# KiCad board manila_ice.kicad_pcb (continued)
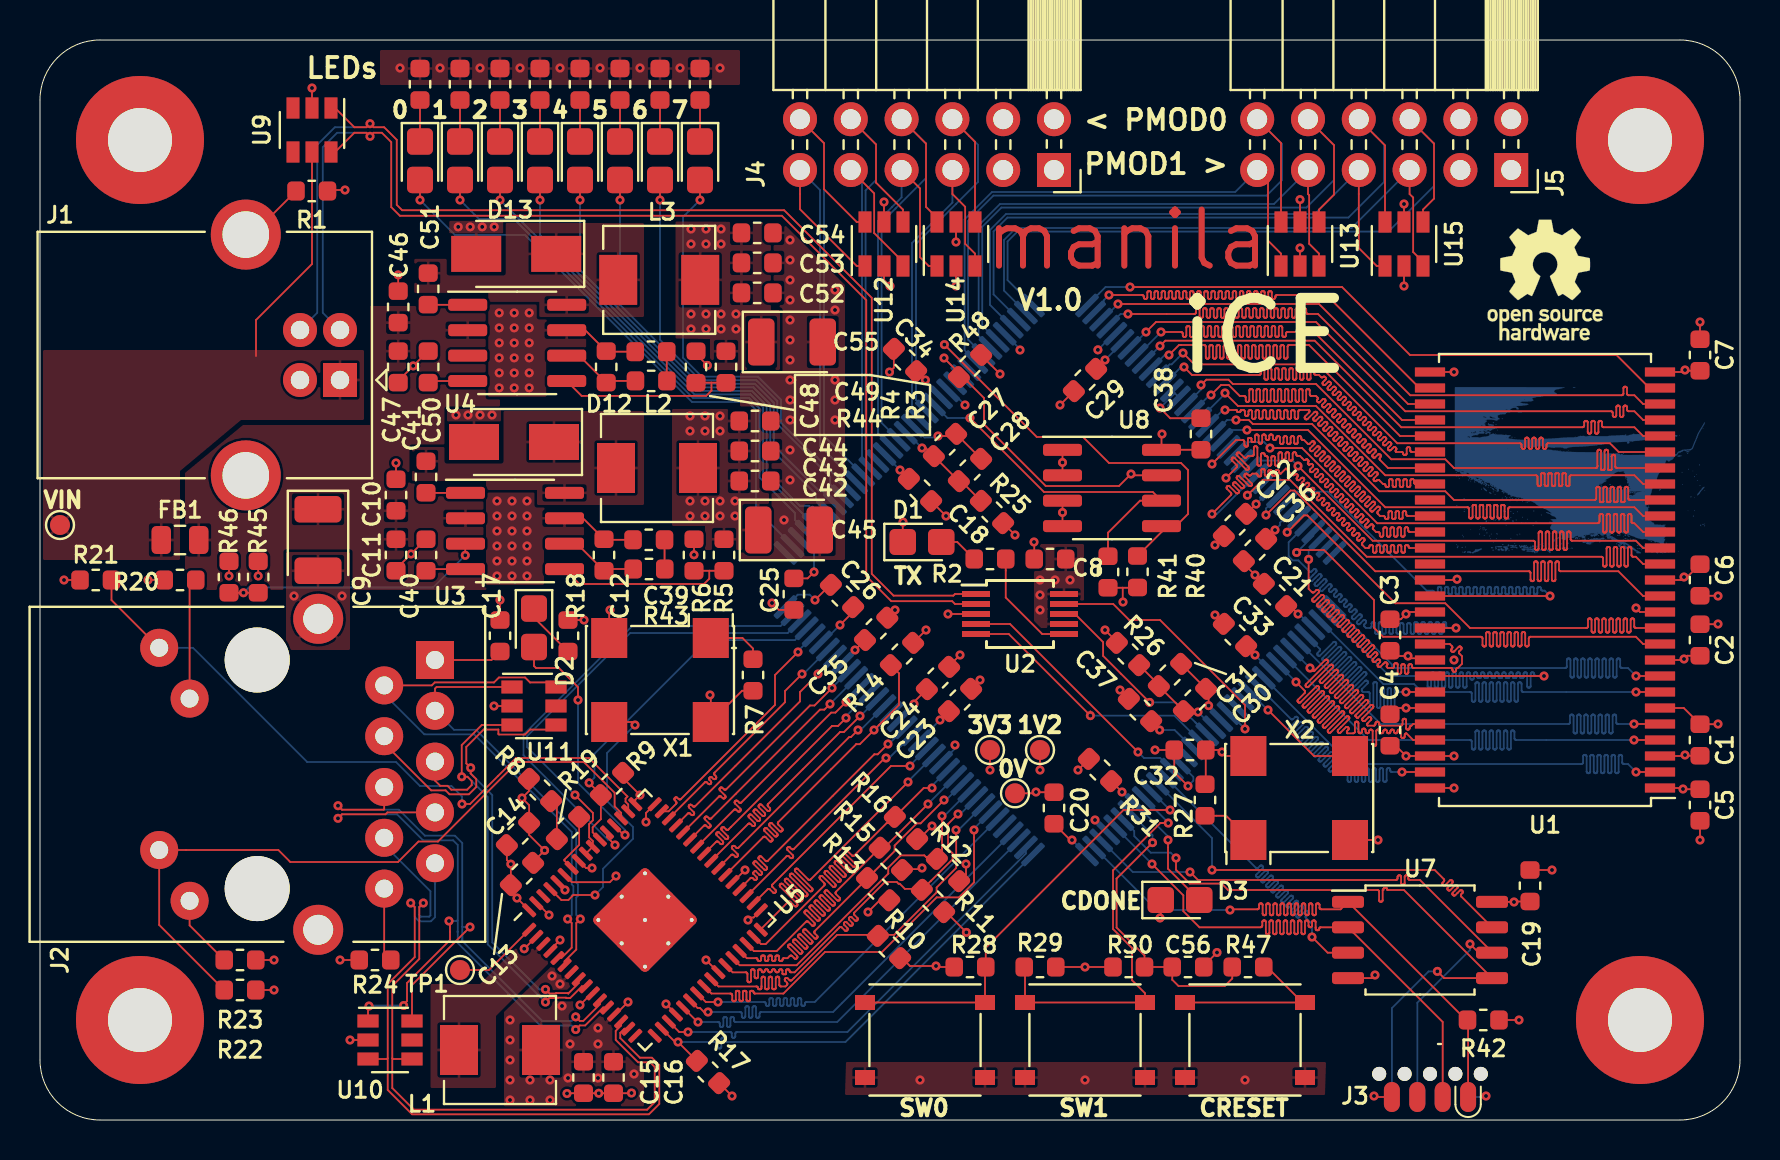
[diagram p0: board, top side]
## Routing (per net, layer and track width the routed paths; a pad name or vN(x,y) marks a point on that pad's centre or on a via; arc(x,y) is an arc through that point)
+1V2: length 11.6
  Top w0.089: v1(53.25,24.5) 53.84,23.91 R26.1 ; 48.11,29.89 v1(48.75,29.25) ; v1(60.8,30.8) 60.31,30.31 C22.1 ; C25.1 38.38,27.08 v1(38.7,27.4) ; v1(43.7,20.8) 43.7,20.9 C24.1 ; C21.1 62.51,25.69 v1(62.9,25.3) ; TP3.1 v1(50,17.5)
  Bottom w0.089: U6.40 62.95,25.3 v1(62.9,25.3) ; U6.111 38.7,28.34 v1(38.7,27.4) ; U6.92 42.93,20.03 v1(43.7,20.8) ; v1(60.8,30.8) 60.81,30.8 U6.27
  vias: v1(32.5,35.2) v1(32.5,34.45) v1(32.5,30.95) v1(32.5,30.2) v1(33.25,35.2) v1(33.25,34.45) v1(33.25,30.95) v1(33.25,30.2) v1(34,35.2) v1(34,34.45) v1(34,30.95) v1(34,30.2) v1(34.75,30.95) v1(34.75,30.2)
+3V3: length 81.8
  Top w0.089: v1(35.25,12.5) 34.65,11.9 U5.37 ; v1(44.27,37) 44.25,37 C34.1 ; v1(33.5,21.25) 33.54,21.21 X1.4 35.1,21.46 R7.1 ; U5.60 26.25,11.53 v1(26.25,11.5) ; U5.49 29.76,16.01 v1(30,16.25) 29.16,17.09 R9.1 ; v1(27,5.75) 27.58,6.33 U5.10 ; U5.64 v1(23.85,11.1) 23.54,11.4 C13.1 v1(23.54,12.79) 23.34,12.99 C14.1 ; v1(33.3,8) 33.91,7.39 U5.26 ; v1(31.3,5.8) 31.8,5.3 U5.20 ; 45.26,10.44 v1(46.32,9.38) ; v1(46.3,12.8) 46.3,12.29 46.06,12.04 ; v1(41.4,10.4) 41.94,10.94 42.46,10.94 ; v1(44.1,12.6) 44.04,12.54 43.16,12.54 ; 43.06,8.14 43.5,7.7 v1(44.8,7.7) 44.85,7.65 R28.1 ; R30.1 v1(52.25,7.65) R29.1 ; v1(51.9,17.5) 52.44,18.04 R31.1 ; v1(55.98,19.5) 55.56,19.92 C37.1 ; R45.1 v1(10.91,27.2) ; U1.49 v1(68.3,20.6) 67.81,20.6 C4.1 ; C3.1 68.04,25.04 v1(68.3,25.3) 68.4,25.4 U1.43 ; 39.29,26.5 C26.1 39.51,26.76 v1(38.75,26) ; R27.1 58.29,16.83 C32.1 59,18.5 v1(59.1,18.4) 59.3,18.2 X2.4 ; C38.1 56.08,33.51 U8.8 56.08,34.28 v1(56.1,34.3) ; C36.1 v1(61.75,29.5) ; v1(54.15,25.9) 54.14,25.91 54.14,26.61 ; R42.1 v1(73.95,5) ; U1.14 82.05,27 v1(82.2,27.15) 82.36,27.15 C6.1 ; R40.1 54.86,26.61 54.14,26.61 ; v1(60.75,23.25) C33.1 ; C7.1 82.29,37.46 v1(82.25,37.5) 82.15,37.4 U1.27 ; U12.5 v1(42.2,45.9) ; 82.96,16.5 C5.1 82.16,16.54 v1(82.15,16.55) 82.1,16.6 U1.1 ; U5.57 27.3,12.6 v1(27.6,12.6) ; 74.5,10.92 73.73,10.92 v1(73.7,10.9) 73.7,10.91 U7.8 ; C2.1 82.36,23.21 v1(82.2,23.05) 82.15,23 U1.9 ; C35.1 v1(40.75,23.5) ; U1.3 82.2,18.2 v1(82.25,18.25) 82.29,18.21 C1.1 ; v1(48,37.3) 47.06,38.24 R48.1 ; 50.72,14.81 C20.1 51.51,14 v1(51.6,14) ; 54.14,26.61 R41.1 ; U14.5 v1(45.8,43.9) ; C29.1 v1(53.25,38) ; U13.5 v1(63,46.02) ; U15.5 v1(68.2,45.8) ; C18.1 v1(43,32.5) ; C23.1 v1(45,20) ; TP2.1 v1(47.5,17.5)
  Bottom w0.089: v1(44.27,37) 45.05,36.22 U6.131 ; v1(55.98,19.5) 56.73,19.5 U6.57 ; v1(72.3,1.2) 72.25,1.15 J3.8 ; v1(43,32.5) 42.22,33.28 U6.123 ; 40.75,23.47 v1(40.75,23.5) 40.1,22.85 U6.100 ; v1(60.75,23.25) 61.53,22.47 U6.46 ; U6.6 54.12,38.87 v1(53.25,38) ; U6.89 43.99,18.99 v1(45,20) ; v1(51.6,14) 52.33,13.27 U6.72 ; v1(61.75,29.5) 62,29.75 62,29.87 U6.30 ; v1(38.75,26) 38.49,26.26 37.89,26.26 U6.108
  vias: v1(32.55,44.55) v1(32.55,43.8) v1(32.55,40.3) v1(32.55,39.55) v1(33.3,44.55) v1(33.3,43.8) v1(33.3,40.3) v1(33.3,39.55) v1(34.05,44.55) v1(34.05,43.8) v1(34.05,40.3) v1(34.05,39.55) v1(34.8,40.3) v1(34.8,39.55) v1(50,27) v1(50,26.25) v1(50,25.5) v1(50.75,27) v1(51.5,27)
/ETHERNET/VDD: length 5.7
  Top w0.089: v1(35.4,10) 35.52,10.12 35.68,10.12 U5.33 ; v1(30.3,14.9) 30.3,15.35 U5.48 ; U5.59 26.59,11.89 28.49,11.89 v1(28.8,12.2) ; U5.13 28.77,5.27 v1(29.4,5.9)
  vias: v1(23.5,5) v1(23.5,4) v1(23.5,3) v1(23.5,2) v1(23.5,1) v1(24.5,2) v1(24.5,1) v1(25.5,2) v1(25.5,1) v1(25.6,7.2) v1(26,6.8) v1(26.1,5.7) v1(26.4,2.1) v1(26.5,3.8) v1(27.9,4.6) v1(27.9,3.8) v1(27.9,2.1) v1(29.7,2.3)
/FPGA/GNDPLL0: length 3.6
  Top w0.089: C31.2 C30.2 58.43,21.43 v1(58.43,20.72)
  Bottom w0.089: v1(58.43,20.72) 59.07,20.08 U6.53
/FPGA/GNDPLL1: length 4.3
  Top w0.089: C28.2 C27.2 45.7,34.2 v1(44.9,34.2)
  Bottom w0.089: U6.127 44.23,34.12 44.82,34.12 v1(44.9,34.2)
/FPGA/VCCPLL0: length 5.1
  Top w0.089: R26.2 55.94,21.76 C31.1 C30.1 57.24,20.4 v1(57.9,20.4)
  Bottom w0.089: v1(57.9,20.4) 58.66,19.64 U6.54
/FPGA/VCCPLL1: length 5.1
  Top w0.089: 47,31 46.06,31.94 C28.1 C27.1 44.29,33.6 v1(44.1,33.6)
  Bottom w0.089: v1(44.1,33.6) 43.34,34.36 U6.126
/VBUS: length 11.4
  Top w0.089: 10.8,38.2 10.8,40 13.6,42.8 U9.5
GND: length 104
  Top w0.089: v1(56,10.1) 56.04,10.14 D3.1 ; v1(55.75,18.5) C32.2 56.71,17.39 v1(57.4,16.7) ; C29.2 v1(51,35.75) ; C22.2 v1(58.75,28.75) ; C36.2 60.19,27.81 v1(60.75,27.25) C21.2 ; C33.2 v1(58.75,25.25) ; C37.2 v1(54,21.5) ; C23.2 v1(47,22) ; v1(46,23.25) 45.46,22.71 C24.2 ; C35.2 v1(42.75,25.5) ; v1(66.75,7.25) 66.6,7.09 U7.4 ; v1(28.5,25.5) 28.46,25.46 X1.2 ; C17.2 v1(23,26) ; C13.2 24.66,12.91 v1(25.23,13.48) 24.46,14.25 C14.2 24.46,15.74 v1(24.1,16.1) 24.44,16.44 R8.1 ; v1(26,9) 25.52,8.52 U5.4 ; v1(24.21,8.56) 24.81,9.16 U5.2 ; v1(25.45,10.25) 24.86,10.84 U5.63 ; R14.2 v1(44.3,24.5) ; 5.29,49.29 H1.1 ; R17.2 v1(34.6,1.2) ; C18.2 v1(45.3,30.2) ; v1(44.6,14.7) 44.04,14.14 43.96,14.14 ; C40.2 19.29,29.04 v1(18.55,28.3) 17.8,27.55 C11.2 ; C39.2 28.23,29.01 C12.2 27.15,30.08 26.23,30.08 ; C10.2 v1(17.8,32.85) ; 49.71,28.09 C8.2 49.71,28.89 v1(49.7,28.9) ; C47.2 17.91,36.95 v1(18.66,37.7) 19.4,38.44 C50.2 ; C49.2 28.34,38.42 C48.2 27.26,39.49 U4.7 ; C46.2 v1(17.91,42.25) ; U10.2 v1(15.5,4) ; v1(83.9,19.8) 83.89,19.79 C1.2 82.19,20.6 U1.6 ; TP5.1 49.73,16.33 v1(49.8,16.4) 49.81,16.39 C20.2 ; C25.2 36.94,25.51 v1(36.6,25.85) ; R24.2 v1(15,8) ; U14.2 v1(45.8,41.7) ; R1.2 14.42,46.5 v1(15.25,46.5) ; C38.2 56.51,35.09 v1(56,35.6) ; C6.2 83.89,26.21 v1(83.9,26.2) ; R46.2 v1(9.45,27.2) ; U15.2 v1(68.2,41.7) ; R4.2 32.8,38.3 v1(33.37,37.73) ; D1.1 43.14,29.89 v1(43.15,29.9) ; U8.3 v1(51.13,30.38) U8.4 ; v1(70.7,18.2) U1.52 v1(68.3,18.2) 67.79,18.71 C4.2 ; C56.2 58.19,7.71 v1(58.85,8.38) ; v1(42.48,37.4) 42.69,37.62 C34.2 ; U1.28 v1(70.7,37.4) ; v1(40,24.75) 40.66,25.41 C26.2 ; v1(70.85,27.04) 70.81,27 U1.41 ; U13.2 v1(63,43.6) ; U12.2 42.2,42 v1(42.5,41.7) ; C3.2 67.76,23.2 v1(68.4,23.2) 68.4,23.15 68.46,23.09 69.41,23.09 U1.46 ; R6.2 32.7,28.25 ; v1(26.35,1.33) 26.36,1.34 C15.2 v1(27.94,1.34) C16.2 29.56,1.34 v1(29.58,1.35) ; v1(75.6,12.5) C19.2 ; C2.2 83.89,24.79 v1(83.9,24.8) ; v1(83,39.9) C7.2 ; U8.1 v1(51.13,32.88) U8.2 ; J3.4 66.75,1.15 v1(66.7,1.2) ; U1.54 v1(70.7,16.6) ; U11.2 v1(22.7,20.7) ; C5.2 v1(83,14) ; v1(27.2,25) 27.2,25 R18.2 ; v1(79.8,25.6) 80,25.4 U1.12 ; U2.3 v1(45.4,25.3) ; R23.2 v1(11.7,8) ; R20.2 v1(5.4,27) ; U9.2 v1(13.6,51.6) ; R21.2 v1(1.2,27) ; v1(66.9,14) X2.2 ; R22.2 v1(11.7,6.5)
  Bottom w0.089: v1(40,24.75) 39.13,23.88 U6.103 ; v1(52.9,38.51) 53.7,39.31 U6.5 ; v1(52.75,15) 53.41,14.34 U6.69 ; v1(46.25,35.75) 45.52,36.48 U6.132 ; v1(49,38.5) 49,38.55 U6.140 ; U6.59 57.66,17.15 57.66,16.96 v1(57.4,16.7) ; U6.13 56.74,36.34 ; 56.74,36.34 v1(56,35.6) ; 56.74,36.34 U6.14 ; v1(45.75,18.75) 45.75,18.57 U6.86
  vias: v1(12.7,26.2) v1(15.1,26.2) v1(18,52.6) v1(20,52.6) v1(20.8,35.25) v1(20.91,44.66) v1(21.4,35.25) v1(21.51,44.66) v1(22,52.6) v1(22,35.25) v1(22.11,44.66) v1(22.6,35.25) v1(22.71,44.66) v1(22.85,30.95) v1(22.85,30.2) v1(22.85,29.45) v1(22.85,28.7) v1(22.85,27.95) v1(22.85,27.2) v1(22.96,40.36) v1(22.96,39.61) v1(22.96,38.86) v1(22.96,38.11) v1(22.96,37.36) v1(22.96,36.61) v1(23.6,30.95) v1(23.6,30.2) v1(23.6,29.45) v1(23.6,28.7) v1(23.6,27.95) v1(23.6,27.2) v1(23.71,40.36) v1(23.71,39.61) v1(23.71,38.86) v1(23.71,38.11) v1(23.71,37.36) v1(23.71,36.61) v1(24,52.6) v1(24.35,30.95) v1(24.35,30.2) v1(24.35,29.45) v1(24.35,28.7) v1(24.35,27.95) v1(24.35,27.2) v1(24.46,40.36) v1(24.46,39.61) v1(24.46,38.86) v1(24.46,38.11) v1(24.46,37.36) v1(24.46,36.61) v1(26,52.6) v1(28,52.6) v1(30,52.6) v1(32,52.6) v1(32.7,28.26) v1(34,52.6) v1(37.2,30) v1(37.5,44) v1(37.5,43) v1(37.5,42) v1(37.5,41) v1(37.5,40) v1(37.5,39) v1(37.5,38) v1(37.5,37) v1(37.5,36) v1(37.5,35) v1(37.5,33.5) v1(37.5,32) v1(39.75,41.5) v1(39.75,40.5) v1(39.75,37) v1(39.75,36) v1(39.75,35) v1(44,2) v1(52.25,2) v1(60.25,2) v1(70.7,23)
/1V2_REG/BOOT: length 2
  Top w0.089: 21.27,31.36 U3.1 19.31,31.36 C41.1
/1V2_REG/COMP: length 4.2
  Top w0.089: 29.58,27.46 R43.1 28.29,27.55 C12.1 26.85,28.81 U3.6
/1V2_REG/COMP_RC: length 1.5
  Top w0.089: 31.24,29 C39.1 31.23,27.56 R43.2
/1V2_REG/EN: length 13.9
  Top w0.089: v1(10.17,26.36) R46.1 ; R45.2 10.18,26.36 ; v1(21.26,28.24) 21.26,28.8 U3.3
  Bottom w0.089: v1(10.17,26.36) 10.44,26.63 19.65,26.63 v1(21.26,28.24)
/1V2_REG/FB: length 9.6
  Top w0.089: 33.46,27.46 R6.1 ; 33.46,27.46 R5.2 ; 33.46,27.46 33.46,27.06 33.2,26.8 26.97,26.8 U3.5
/1V2_REG/SS: length 2.1
  Top w0.089: 21.19,27.46 U3.4 19.38,27.55 C40.1
/3V3_REG/BOOT: length 2
  Top w0.089: C51.1 19.42,40.76 U4.1 21.38,40.77
/3V3_REG/COMP: length 4.2
  Top w0.089: 29.69,36.87 R44.1 28.4,36.95 C48.1 26.96,38.22 U4.6
/3V3_REG/COMP_RC: length 1.5
  Top w0.089: R44.2 31.34,36.97 C49.1 31.35,38.41
/3V3_REG/FB: length 9.6
  Top w0.089: 33.57,36.87 33.57,36.47 33.31,36.2 27.08,36.2 U4.5 ; 33.57,36.87 32.81,36.87 ; 33.57,36.87 34.31,36.87
/3V3_REG/SS: length 2.1
  Top w0.089: C50.1 19.49,36.95 U4.4 21.3,36.87
/EEPROM/SCL: length 17.9
  Top w0.089: R41.2 53.4,29.36 55,30.97 U8.6 55.64,31.4 50.2,31.4 v1(46.5,35.1)
  Bottom w0.089: U6.130 45.37,35.1 v1(46.5,35.1)
/EEPROM/SDA: length 22.3
  Top w0.089: R40.2 56.08,29.4 U8.5 56.8,29.69 57.4,30.3 57.4,32.5 57.05,32.85 53.45,32.85 52.15,34.15 49.84,34.15 v1(45.22,38.77)
  Bottom w0.089: v1(45.22,38.77) 46.44,37.54 U6.135
/EEPROM/~{WC}: length 16.4
  Top w0.089: 46.4,36.9 46.16,37.14 R48.2 ; 46.4,36.9 v1(45.2,38.1) ; 46.4,36.9 47.2,36.1 47.2,34.78 50.28,31.7 53.95,31.7 v1(54.55,32.3) 54.61,32.23 U8.7
  Bottom w0.089: v1(45.2,38.1) 46.11,37.19 U6.134
/ETHERNET/CLK50: length 14.3
  Top w0.089: v1(29.75,19.75) 29.6,19.9 X1.3 ; v1(27.75,11.25) 26.67,11.25 26.42,11 26.07,11 U5.61
  Bottom w0.089: v1(29.75,19.75) 28.35,18.35 28.35,15.95 29.65,14.65 29.65,14.06 28.15,12.56 28.15,11.65 v1(27.75,11.25)
/ETHERNET/CLK125: length 4.3
  Top w0.089: TP1.1 22.45,7.5 U5.1
/ETHERNET/COL: length 22.5
  Top w0.089: v1(44.6,16.6) 44.19,16.6 42.44,14.85 42.34,14.85 40.72,13.23 40.7,13.22 40.68,13.21 40.67,13.21 40.65,13.21 40.63,13.21 40.61,13.22 40.59,13.23 40.38,13.44 40.37,13.45 40.35,13.46 40.33,13.47 40.31,13.47 40.29,13.46 40.27,13.45 40.26,13.44 40.25,13.42 40.24,13.41 40.23,13.39 40.23,13.37 40.24,13.35 40.25,13.33 40.26,13.31 40.76,12.81 40.78,12.79 40.79,12.77 40.79,12.76 40.79,12.74 40.79,12.72 40.78,12.7 40.76,12.68 40.75,12.67 40.73,12.66 40.71,12.66 40.69,12.66 40.67,12.66 40.65,12.67 40.64,12.68 40.13,13.19 40.12,13.2 40.1,13.21 40.08,13.21 40.06,13.21 40.04,13.21 40.02,13.2 40.01,13.19 40,13.17 39.99,13.15 39.98,13.14 39.98,13.12 39.99,13.1 40,13.08 40.01,13.06 40.51,12.56 40.53,12.54 40.53,12.52 40.54,12.5 40.54,12.48 40.53,12.46 40.53,12.45 40.51,12.43 40.5,12.42 40.48,12.41 40.46,12.41 40.44,12.41 40.42,12.41 40.4,12.42 40.39,12.43 39.88,12.94 39.87,12.95 39.85,12.96 39.83,12.96 39.81,12.96 39.79,12.96 39.77,12.95 39.76,12.94 39.74,12.92 39.73,12.9 39.73,12.88 39.73,12.86 39.73,12.84 39.74,12.83 39.76,12.81 40.26,12.31 40.27,12.29 40.28,12.27 40.29,12.25 40.29,12.23 40.28,12.21 40.27,12.19 40.26,12.18 40.25,12.17 40.23,12.16 40.21,12.15 40.19,12.15 40.17,12.16 40.15,12.17 40.14,12.18 39.63,12.69 39.61,12.7 39.6,12.71 39.58,12.71 39.56,12.71 39.54,12.71 39.52,12.7 39.5,12.69 39.49,12.67 39.48,12.65 39.48,12.63 39.48,12.61 39.48,12.59 39.49,12.58 39.5,12.56 40.01,12.05 40.02,12.04 40.03,12.02 40.04,12 40.04,11.98 40.03,11.96 40.02,11.94 40.01,11.93 39.99,11.92 39.98,11.91 39.96,11.9 39.94,11.9 39.92,11.91 39.9,11.92 39.88,11.93 39.38,12.43 39.36,12.45 39.35,12.45 39.33,12.46 39.31,12.46 39.29,12.45 39.27,12.45 39.25,12.43 39.24,12.42 39.23,12.4 39.23,12.38 39.23,12.36 39.23,12.34 39.24,12.32 39.25,12.31 39.76,11.8 39.77,11.79 39.78,11.77 39.78,11.75 39.78,11.73 39.78,11.71 39.77,11.69 39.76,11.68 39.74,11.66 39.73,11.66 39.71,11.65 39.69,11.65 39.67,11.66 39.65,11.66 39.63,11.68 39.13,12.18 39.11,12.19 39.09,12.2 39.07,12.21 39.05,12.21 39.04,12.2 39.02,12.19 39,12.18 38.99,12.17 38.98,12.15 38.98,12.13 38.98,12.11 38.98,12.09 38.99,12.07 39,12.06 39.21,11.85 39.22,11.83 39.23,11.82 39.23,11.8 39.23,11.78 39.23,11.76 39.22,11.74 39.21,11.72 36.28,8.8 36.05,8.8 U5.31
  Bottom w0.089: U6.85 44.6,16.71 v1(44.6,16.6)
/ETHERNET/CS: length 22.5
  Top w0.089: U5.32 36.04,9.54 37.4,10.9 37.42,10.91 37.43,10.92 37.45,10.93 37.47,10.93 37.49,10.92 37.51,10.91 37.53,10.9 37.72,10.7 37.74,10.69 37.76,10.68 37.78,10.68 37.8,10.68 37.81,10.68 37.83,10.69 37.85,10.7 37.86,10.72 37.87,10.74 37.87,10.76 37.87,10.78 37.87,10.8 37.86,10.81 37.85,10.83 37.01,11.67 37,11.68 36.99,11.7 36.99,11.72 36.99,11.74 36.99,11.76 37,11.78 37.01,11.79 37.03,11.8 37.04,11.81 37.06,11.82 37.08,11.82 37.1,11.81 37.12,11.8 37.14,11.79 37.97,10.95 37.99,10.94 38.01,10.93 38.03,10.93 38.05,10.93 38.07,10.93 38.08,10.94 38.1,10.95 38.11,10.97 38.12,10.99 38.13,11.01 38.13,11.03 38.12,11.05 38.11,11.06 38.1,11.08 37.26,11.92 37.25,11.93 37.24,11.95 37.24,11.97 37.24,11.99 37.24,12.01 37.25,12.03 37.26,12.04 37.28,12.06 37.3,12.06 37.32,12.07 37.34,12.07 37.35,12.06 37.37,12.06 37.39,12.04 38.23,11.21 38.24,11.19 38.26,11.19 38.28,11.18 38.3,11.18 38.32,11.19 38.34,11.19 38.35,11.21 38.36,11.22 38.37,11.24 38.38,11.26 38.38,11.28 38.37,11.3 38.36,11.32 38.35,11.33 37.51,12.17 37.5,12.18 37.49,12.2 37.49,12.22 37.49,12.24 37.49,12.26 37.5,12.28 37.51,12.3 37.53,12.31 37.55,12.32 37.57,12.32 37.59,12.32 37.61,12.32 37.62,12.31 37.64,12.3 38.48,11.46 38.49,11.45 38.51,11.44 38.53,11.43 38.55,11.43 38.57,11.44 38.59,11.45 38.6,11.46 38.61,11.47 38.62,11.49 38.63,11.51 38.63,11.53 38.62,11.55 38.61,11.57 38.6,11.58 37.77,12.42 37.75,12.44 37.74,12.45 37.74,12.47 37.74,12.49 37.74,12.51 37.75,12.53 37.77,12.55 37.78,12.56 37.8,12.57 37.82,12.57 37.84,12.57 37.86,12.57 37.88,12.56 37.89,12.55 38.41,12.03 38.42,12.02 38.44,12.01 38.46,12.01 38.48,12.01 38.5,12.01 38.52,12.02 38.53,12.03 v1(43.4,16.9)
  Bottom w0.089: U6.87 43.4,16.93 v1(43.4,16.9)
/ETHERNET/CT: length 3.4
  Top w0.089: J2.R1 22.58,23 23,23.42
/ETHERNET/LED_G_HIGH: length 33.8
  Top w0.089: J2.L4 3.58,26 R21.1 ; U5.50 29.41,15.78 29.28,15.91 29.28,16.07 29.37,16.17 27.45,18.1 23.8,18.1 21.5,15.8 v1(21.1,15.8)
  Bottom w0.089: v1(21.1,15.8) 21.1,16.17 20.57,16.7 19,16.7 17.8,17.9 13.36,17.9 7.65,23.61 J2.L4
/ETHERNET/LED_G_LOW: length 6.1
  Top w0.089: J2.L3 7.48,26.69 R20.1
/ETHERNET/LED_Y_HIGH: length 35.5
  Top w0.089: R22.1 5.96,9.75 J2.L2 11.92,13.5 12.52,12.9 17.9,12.9 18.92,13.92 19.9,13.92 23.87,17.9 27.19,17.9 28.73,16.36 28.73,15.68 29.06,15.36 U5.51
/ETHERNET/LED_Y_LOW: length 3.7
  Top w0.089: R23.1 7.48,9.73 J2.L1
/ETHERNET/MDI0_N: length 21.8
  Top w0.089: v1(27.02,10.05) 26.81,9.85 26.81,8.52 26.23,7.94 U5.6 ; J2.R3 19.75,21.57 19.83,21.65 U11.1
  Bottom w0.089: v1(27.02,10.05) 26.81,10.25 26.81,11.12 26.89,11.21 26.89,11.79 26.81,11.88 26.81,14.5 21.8,19.51 20.7,19.51 J2.R3
/ETHERNET/MDI0_P: length 28.6
  Top w0.089: J2.R2 19.59,21.73 19.74,21.88 22.7,21.88 22.95,22.13 24.25,22.13 24.5,21.88 25.57,21.88 U11.6 ; U5.5 26.07,8.1 26.59,8.62 26.59,9.85 v1(26.38,10.05)
  Bottom w0.089: v1(26.38,10.05) 26.59,10.25 26.59,11.22 26.67,11.3 26.67,11.7 26.59,11.78 26.59,14.4 21.7,19.29 19.21,19.29 17.65,20.85 17.65,21.29 J2.R2
/ETHERNET/MDI1_N: length 23.9
  Top w0.089: U11.3 22.09,19.75 21.09,18.75 v1(21.09,17.16) 21.37,17.16 21.59,16.95 21.59,16.75 21.35,16.51 20.57,16.51 20.37,16.71 20.01,16.71 19.75,16.97 J2.R5 ; v1(25.27,5.9) 25.47,6.1 25.88,6.1 25.9,6.12 26.3,6.12 26.32,6.1 26.51,6.1 27.1,6.69 U5.9
  Bottom w0.089: v1(25.27,5.9) 22.39,8.78 22.39,16.15 21.37,17.16 v1(21.09,17.16)
/ETHERNET/MDI1_P: length 28.6
  Top w0.089: U5.8 26.94,6.85 26.42,6.33 26.41,6.33 26.39,6.34 25.81,6.34 25.79,6.33 25.47,6.33 v1(25.27,6.53) ; U11.4 25.57,19.52 24.5,19.52 24.25,19.27 22.95,19.27 22.92,19.3 22.92,19.52 22.18,19.52 21.31,18.65 21.31,17.83 v1(21.53,17.61) 21.53,17.32 21.81,17.04 21.81,16.65 21.45,16.29 20.47,16.29 20.28,16.48 19.56,16.48 17.21,18.83 J2.R4
  Bottom w0.089: v1(25.27,6.53) 24.96,6.53 22.61,8.88 22.61,16.24 21.53,17.32 v1(21.53,17.61)
/ETHERNET/MDI2_N: length 34.5
  Top w0.089: J2.R7 17.37,15.38 17.28,15.29 15.1,15.29 v1(14.9,15.08) ; v1(26.79,4.52) 26.99,4.73 27.26,4.73 28.16,5.62 U5.12 ; v1(16.45,5.7) 16.4,5.65 U10.1 ; v1(20.45,9.95) 20.5,9.9 20.5,9 18.35,6.85 18.35,5.95 18.18,5.78 v1(18.18,5.72)
  Bottom w0.089: 20.89,9.44 20.89,9.96 ; 20.89,9.44 20.89,9.41 20.87,9.4 ; 20.89,9.44 20.89,8.85 25.01,4.73 26.58,4.73 v1(26.79,4.52) ; 20.89,9.96 20.84,9.96 20.82,9.95 v1(20.45,9.95) ; 20.89,9.96 20.89,13.75 20.65,13.99 19.15,13.99 17.85,15.29 15.1,15.29 v1(14.9,15.08) ; 18.16,5.7 v1(18.18,5.72) 16.47,5.72 v1(16.45,5.7)
/ETHERNET/MDI2_P: length 31.2
  Top w0.089: J2.R6 17.21,15.54 17.18,15.51 15.1,15.51 v1(14.9,15.72) ; U5.11 28,5.79 27.16,4.95 26.99,4.95 v1(26.79,5.16) ; U10.6 18.6,6.75 v1(21.5,9.65)
  Bottom w0.089: v1(14.9,15.72) 15.1,15.51 17.95,15.51 19.25,14.21 20.75,14.21 21.11,13.85 21.11,9.66 ; 21.11,9.04 21.11,9.26 ; 21.11,9.04 21.11,9.66 ; 21.11,9.04 21.11,8.95 ; v1(21.5,9.65) 21.13,9.65 21.11,9.66 21.11,9.66 ; v1(26.79,5.16) 26.58,4.95 25.11,4.95 21.11,8.95 ; 21.11,8.95 21.13,8.94
/ETHERNET/MDI3_N: length 35.2
  Top w0.089: v1(18.53,10.85) 18.74,10.65 18.74,8.15 17.39,6.8 17.39,3.09 ; 17.39,3.09 17.39,1.5 18.6,0.29 30.45,0.29 30.96,0.8 30.96,2.75 30.6,3.11 30,3.11 29.01,4.1 29.01,4.36 29.22,4.56 U5.15 ; 17.39,3.09 17.35,3.05 U10.3
  Bottom w0.089: J2.R9 19.75,10.14 19.55,9.94 18.95,9.94 18.74,10.15 18.74,10.65 v1(18.53,10.85)
/ETHERNET/MDI3_P: length 36.1
  Top w0.089: 17.61,3.09 17.65,3.05 U10.4 ; 17.61,3.09 17.61,1.6 18.7,0.51 30.35,0.51 30.74,0.9 30.74,2.65 30.5,2.89 29.9,2.89 28.79,4 28.79,4.45 29.06,4.73 U5.14 ; 17.61,3.09 17.61,6.7 18.96,8.05 18.96,10.65 v1(19.17,10.85)
  Bottom w0.089: v1(19.17,10.85) 18.96,10.65 18.96,10.25 19.05,10.16 19.45,10.16 19.52,10.23 19.52,11.44 17.21,13.75 J2.R8
/ETHERNET/RXCLK: length 22.5
  Top w0.089: v1(46.7,14.5) 46.7,11.88 45.95,11.13 44.83,11.13 42.1,8.4 39.25,8.4 37.17,6.32 35.75,6.32 35.73,6.32 35.72,6.33 35.7,6.34 35.69,6.35 35.69,6.36 35.68,6.38 35.68,6.41 35.67,6.42 35.66,6.44 35.65,6.45 35.64,6.45 35.62,6.46 35.61,6.46 35.57,6.46 35.55,6.46 35.54,6.45 35.53,6.45 35.52,6.44 35.51,6.42 35.5,6.41 35.5,6.39 35.5,6.02 35.5,6 35.49,5.98 35.48,5.97 35.47,5.95 35.45,5.94 35.43,5.94 35.41,5.93 35.39,5.94 35.37,5.94 35.36,5.95 35.34,5.97 35.33,5.98 35.33,6 35.32,6.02 35.32,6.39 35.32,6.41 35.32,6.42 35.31,6.44 35.3,6.45 35.28,6.45 35.27,6.46 35.25,6.46 35.21,6.46 35.2,6.46 35.18,6.45 35.17,6.45 35.16,6.44 35.15,6.42 35.15,6.41 35.15,6.39 35.15,6.02 35.14,6 35.14,5.98 35.13,5.97 35.11,5.95 35.1,5.94 35.08,5.94 35.06,5.93 35.04,5.94 35.02,5.94 35,5.95 34.99,5.97 34.98,5.98 34.97,6 34.97,6.02 34.97,6.39 34.97,6.41 34.96,6.42 34.95,6.44 34.94,6.45 34.93,6.45 34.91,6.46 34.9,6.46 34.86,6.46 34.84,6.46 34.83,6.45 34.82,6.45 34.8,6.44 34.8,6.42 34.79,6.41 34.79,6.39 34.79,6.02 34.79,6 34.78,5.98 34.77,5.97 34.76,5.95 34.74,5.94 34.72,5.94 34.7,5.93 34.68,5.94 34.66,5.94 34.65,5.95 34.63,5.97 34.62,5.98 34.61,6 34.61,6.02 34.61,6.23 34.61,6.25 34.6,6.27 34.59,6.29 34.58,6.3 34.56,6.31 34.54,6.32 34.52,6.32 33.57,6.32 U5.24
  Bottom w0.089: U6.79 46.7,14.57 v1(46.7,14.5)
/ETHERNET/TERM: length 3.7
  Top w0.089: J2.R10 17.21,8.33 R24.1
/FPGA/CBSEL0: length 22.2
  Top w0.089: v1(56.5,15.5) 54.17,15.5 47.29,8.61 R28.2 47.25,7.61 SW1.1 SW1.1
  Bottom w0.089: v1(56.5,15.5) 55.54,16.46 U6.63
/FPGA/CBSEL1: length 21
  Top w0.089: R29.2 49.25,7.61 SW2.1 SW2.1 55.25,6.34 54.6,6.99 54.6,8.6 53.65,9.55 53.65,12.48 56.02,14.85 ; 56.02,14.85 v1(56.41,14.85) 56.02,14.85
  Bottom w0.089: U6.64 56.41,14.87 v1(56.41,14.85)
/FPGA/CDONE: length 8.7
  Top w0.089: v1(56.4,14) 56.4,12.56 D3.2 ; R31.2 v1(54.1,16.4)
  Bottom w0.089: U6.65 56.4,14.18 v1(56.4,14) ; U6.65 54.75,15.75 v1(54.1,16.4) ; U6.65 54.24,16.34 54.16,16.34
/FPGA/ETH_GTXCLK: length 12.5
  Top w0.089: U5.34 36.37,11.53 36.39,11.54 36.41,11.55 36.43,11.55 36.45,11.55 36.47,11.55 36.48,11.54 36.5,11.53 36.65,11.38 36.66,11.37 36.68,11.36 36.7,11.35 36.72,11.35 36.74,11.36 36.76,11.37 36.77,11.38 36.78,11.4 36.79,11.41 36.8,11.43 36.8,11.45 36.79,11.47 36.78,11.49 36.77,11.51 36.62,11.65 36.61,11.67 36.6,11.69 36.6,11.71 36.6,11.73 36.6,11.74 36.61,11.76 36.62,11.78 42.55,17.7 v1(43.5,17.7)
  Bottom w0.089: U6.88 43.5,17.73 v1(43.5,17.7)
/FPGA/ETH_MDC: length 24.2
  Top w0.089: v1(28.75,13.75) 28.35,14.15 U5.53
  Bottom w0.089: U6.107 37.03,24.7 29.61,24.7 24.17,19.26 24.17,18.24 28.4,14.01 28.49,14.01 v1(28.75,13.75)
/FPGA/ETH_MDIO: length 18.2
  Top w0.089: v1(27.46,16.86) 28.04,16.27 R9.2 28.04,15.04 27.63,14.63 27.63,14.38 U5.54
  Bottom w0.089: v1(27.46,16.86) 27.72,17.12 27.72,18.31 33.41,23.99 37.74,23.99 U6.105
/FPGA/ETH_RXD0: length 22.5
  Top w0.089: U5.19 31.96,4.4 v1(32.4,4.4)
  Bottom w0.089: v1(32.4,4.4) 34.5,4.4 34.52,4.4 34.54,4.39 34.56,4.38 34.57,4.37 34.58,4.35 34.59,4.33 34.59,4.31 34.59,4.2 34.59,4.18 34.6,4.16 34.61,4.14 34.62,4.13 34.64,4.12 34.66,4.11 34.68,4.11 34.7,4.11 34.72,4.12 34.73,4.13 34.75,4.14 34.76,4.16 34.76,4.18 34.77,4.2 34.77,4.31 34.77,4.33 34.78,4.35 34.79,4.37 34.8,4.38 34.82,4.39 34.84,4.4 34.86,4.4 40.37,4.4 49.29,13.32 U6.74
/FPGA/ETH_RXD1: length 22.5
  Top w0.089: U5.21 32.88,4.9 v1(32.9,4.9)
  Bottom w0.089: v1(32.9,4.9) 33.9,4.9 33.92,4.9 33.94,4.89 33.96,4.88 33.97,4.87 33.98,4.85 33.99,4.83 33.99,4.81 33.99,4.73 33.99,4.72 34,4.7 34.01,4.68 34.02,4.67 34.04,4.65 34.06,4.65 34.08,4.65 34.1,4.65 34.12,4.65 34.13,4.67 34.15,4.68 34.16,4.7 34.16,4.72 34.17,4.73 34.17,5.07 34.17,5.08 34.18,5.1 34.19,5.12 34.2,5.13 34.22,5.15 34.24,5.15 34.26,5.15 34.28,5.15 34.29,5.15 34.31,5.13 34.33,5.12 34.34,5.1 34.34,5.08 34.34,5.07 34.34,4.73 34.35,4.72 34.35,4.7 34.36,4.68 34.38,4.67 34.39,4.65 34.41,4.65 34.43,4.65 34.45,4.65 34.47,4.65 34.49,4.67 34.5,4.68 34.51,4.7 34.52,4.72 34.52,4.73 34.52,5.07 34.52,5.08 34.53,5.1 34.54,5.12 34.56,5.13 34.57,5.15 34.59,5.15 34.61,5.15 34.63,5.15 34.65,5.15 34.67,5.13 34.68,5.12 34.69,5.1 34.7,5.08 34.7,5.07 34.7,4.99 34.7,4.97 34.71,4.95 34.72,4.93 34.73,4.92 34.75,4.91 34.77,4.9 34.79,4.9 39.86,4.9 U6.75
/FPGA/ETH_RXD2: length 22.5
  Top w0.089: U5.22 32.88,5.6 33,5.6 33.2,5.4 v1(33.4,5.4)
  Bottom w0.089: v1(33.4,5.4) 35,5.4 35.02,5.4 35.04,5.39 35.06,5.38 35.07,5.37 35.08,5.35 35.09,5.33 35.09,5.31 35.09,5.2 35.09,5.18 35.1,5.16 35.11,5.14 35.12,5.13 35.14,5.11 35.16,5.11 35.18,5.11 35.2,5.11 35.22,5.11 35.23,5.13 35.25,5.14 35.26,5.16 35.26,5.18 35.27,5.2 35.27,5.6 35.27,5.62 35.28,5.64 35.29,5.66 35.3,5.67 35.32,5.69 35.34,5.69 35.36,5.69 35.38,5.69 35.39,5.69 35.41,5.67 35.43,5.66 35.44,5.64 35.44,5.62 35.44,5.6 35.44,5.2 35.45,5.18 35.45,5.16 35.46,5.14 35.48,5.13 35.49,5.11 35.51,5.11 35.53,5.11 35.55,5.11 35.57,5.11 35.59,5.13 35.6,5.14 35.61,5.16 35.62,5.18 35.62,5.2 35.62,5.6 35.62,5.62 35.63,5.64 35.64,5.66 35.66,5.67 35.67,5.69 35.69,5.69 35.71,5.69 35.73,5.69 35.75,5.69 35.77,5.67 35.78,5.66 35.79,5.64 35.8,5.62 35.8,5.6 35.8,5.2 35.8,5.18 35.81,5.16 35.82,5.14 35.83,5.13 35.85,5.11 35.87,5.11 35.89,5.11 35.91,5.11 35.93,5.11 35.94,5.13 35.96,5.14 35.97,5.16 35.98,5.18 35.98,5.2 35.98,5.31 35.98,5.33 35.99,5.35 36,5.37 36.01,5.38 36.03,5.39 36.05,5.4 36.07,5.4 39.65,5.4 U6.76
/FPGA/ETH_RXD3: length 22.5
  Top w0.089: v1(33.9,5.9) 33.29,5.9 U5.23
  Bottom w0.089: v1(33.9,5.9) 36.2,5.9 36.22,5.9 36.24,5.89 36.26,5.88 36.27,5.87 36.28,5.85 36.29,5.83 36.29,5.81 36.29,5.79 36.29,5.77 36.3,5.75 36.31,5.73 36.32,5.72 36.34,5.71 36.36,5.7 36.38,5.7 36.4,5.7 36.42,5.71 36.43,5.72 36.45,5.73 36.46,5.75 36.46,5.77 36.47,5.79 36.47,6.01 36.47,6.03 36.48,6.05 36.49,6.07 36.5,6.08 36.52,6.09 36.54,6.1 36.56,6.1 36.58,6.1 36.59,6.09 36.61,6.08 36.63,6.07 36.64,6.05 36.64,6.03 36.64,6.01 36.64,5.79 36.65,5.77 36.65,5.75 36.66,5.73 36.68,5.72 36.69,5.71 36.71,5.7 36.73,5.7 36.75,5.7 36.77,5.71 36.79,5.72 36.8,5.73 36.81,5.75 36.82,5.77 36.82,5.79 36.82,6.01 36.82,6.03 36.83,6.05 36.84,6.07 36.86,6.08 36.87,6.09 36.89,6.1 36.91,6.1 36.93,6.1 36.95,6.09 36.97,6.08 36.98,6.07 36.99,6.05 37,6.03 37,6.01 37,5.79 37,5.77 37.01,5.75 37.02,5.73 37.03,5.72 37.05,5.71 37.07,5.7 37.09,5.7 37.11,5.7 37.13,5.71 37.14,5.72 37.16,5.73 37.17,5.75 37.18,5.77 37.18,5.79 37.18,6.01 37.18,6.03 37.19,6.05 37.2,6.07 37.21,6.08 37.23,6.09 37.25,6.1 37.27,6.1 37.29,6.1 37.31,6.09 37.32,6.08 37.34,6.07 37.35,6.05 37.35,6.03 37.36,6.01 37.36,5.79 37.36,5.77 37.36,5.75 37.38,5.73 37.39,5.72 37.41,5.71 37.42,5.7 37.44,5.7 37.46,5.7 37.48,5.71 37.5,5.72 37.51,5.73 37.52,5.75 37.53,5.77 37.53,5.79 37.53,6.01 37.54,6.03 37.54,6.05 37.55,6.07 37.57,6.08 37.58,6.09 37.6,6.1 37.62,6.1 37.64,6.1 37.66,6.09 37.68,6.08 37.69,6.07 37.7,6.05 37.71,6.03 37.71,6.01 37.71,5.79 37.71,5.77 37.72,5.75 37.73,5.73 37.74,5.72 37.76,5.71 37.78,5.7 37.8,5.7 37.82,5.7 37.84,5.71 37.86,5.72 37.87,5.73 37.88,5.75 37.89,5.77 37.89,5.79 37.89,6.01 37.89,6.03 37.9,6.05 37.91,6.07 37.92,6.08 37.94,6.09 37.96,6.1 37.98,6.1 38,6.1 38.02,6.09 38.03,6.08 38.05,6.07 38.06,6.05 38.06,6.03 38.07,6.01 38.07,5.79 38.07,5.77 38.08,5.75 38.09,5.73 38.1,5.72 38.12,5.71 38.14,5.7 38.16,5.7 38.18,5.7 38.19,5.71 38.21,5.72 38.23,5.73 38.24,5.75 38.24,5.77 38.24,5.79 38.24,5.81 38.25,5.83 38.25,5.85 38.26,5.87 38.28,5.88 38.3,5.89 38.31,5.9 38.33,5.9 38.74,5.9 U6.78
/FPGA/ETH_RXD4: length 23.1
  Top w0.089: 41.34,9.26 42.71,9.26 44.83,11.38 44.83,11.62 45.81,12.6 45.81,14.12 45.8,14.13 v1(45.8,14.5) ; 41.34,9.26 39.85,9.26 37.6,7 37.58,6.99 37.56,6.98 37.54,6.97 37.52,6.97 37.5,6.98 37.49,6.99 37.47,7 37.39,7.08 37.37,7.09 37.35,7.1 37.34,7.11 37.32,7.11 37.3,7.1 37.28,7.09 37.26,7.08 37.25,7.06 37.24,7.05 37.24,7.03 37.24,7.01 37.24,6.99 37.25,6.97 37.26,6.95 37.34,6.87 37.36,6.86 37.36,6.84 37.37,6.82 37.37,6.8 37.36,6.78 37.36,6.76 37.34,6.75 37.27,6.68 37.05,6.68 37.03,6.68 37.02,6.69 37,6.7 36.98,6.71 36.97,6.73 36.97,6.75 36.97,6.77 36.97,7.08 36.96,7.1 36.96,7.12 36.95,7.14 36.93,7.15 36.91,7.16 36.9,7.17 36.88,7.17 36.86,7.17 36.84,7.16 36.82,7.15 36.81,7.14 36.8,7.12 36.79,7.1 36.79,7.08 36.79,6.61 36.79,6.59 36.78,6.57 36.77,6.56 36.76,6.55 36.75,6.54 36.73,6.54 36.72,6.53 36.68,6.53 36.67,6.54 36.65,6.54 36.64,6.55 36.63,6.56 36.62,6.57 36.61,6.59 36.61,6.61 36.61,7.08 36.61,7.1 36.6,7.12 36.59,7.14 36.58,7.15 36.56,7.16 36.54,7.17 36.52,7.17 36.5,7.17 36.48,7.16 36.47,7.15 36.45,7.14 36.44,7.12 36.43,7.1 36.43,7.08 36.43,6.61 36.43,6.59 36.42,6.57 36.42,6.56 36.4,6.55 36.39,6.54 36.38,6.54 36.36,6.53 36.33,6.53 36.31,6.54 36.29,6.54 36.28,6.55 36.27,6.56 36.26,6.57 36.26,6.59 36.25,6.61 36.25,7.08 36.25,7.1 36.25,7.12 36.23,7.14 36.22,7.15 36.2,7.16 36.18,7.17 36.17,7.17 36.15,7.17 36.13,7.16 36.11,7.15 36.1,7.14 36.09,7.12 36.08,7.1 36.08,7.08 36.08,6.68 36.07,6.68 36.07,6.61 36.07,6.59 36.07,6.57 36.06,6.56 36.05,6.55 36.03,6.54 36.02,6.54 36,6.53 35.97,6.53 35.95,6.54 35.94,6.54 35.92,6.55 35.91,6.56 35.9,6.57 35.9,6.59 35.89,6.62 35.89,6.64 35.88,6.65 35.87,6.66 35.85,6.67 35.84,6.67 35.82,6.68 33.93,6.68 U5.25 ; 41.34,9.26 41.39,9.21 R10.2
  Bottom w0.089: U6.80 45.92,14.5 v1(45.8,14.5)
/FPGA/ETH_RXD5: length 22.5
  Top w0.089: U5.27 34.63,7.38 35.28,7.38 35.3,7.38 35.32,7.37 35.34,7.36 35.35,7.35 35.36,7.33 35.37,7.31 35.37,7.29 35.37,6.97 35.37,6.95 35.38,6.93 35.39,6.92 35.41,6.9 35.42,6.89 35.44,6.89 35.46,6.88 35.48,6.89 35.5,6.89 35.52,6.9 35.53,6.92 35.54,6.93 35.55,6.95 35.55,6.97 35.55,7.46 35.55,7.48 35.56,7.49 35.57,7.51 35.58,7.52 35.59,7.53 35.61,7.53 35.63,7.53 35.65,7.53 35.67,7.53 35.69,7.53 35.7,7.52 35.71,7.51 35.72,7.49 35.73,7.48 35.73,7.46 35.73,7.17 35.73,7.15 35.74,7.13 35.75,7.12 35.76,7.1 35.78,7.09 35.8,7.09 35.82,7.08 35.84,7.09 35.86,7.09 35.87,7.1 35.89,7.12 35.9,7.13 35.9,7.15 35.91,7.17 35.91,7.46 35.91,7.48 35.91,7.49 35.92,7.51 35.93,7.52 35.95,7.53 35.96,7.53 35.98,7.53 36.01,7.53 36.03,7.53 36.04,7.53 36.06,7.52 36.07,7.51 36.08,7.49 36.08,7.48 36.09,7.44 36.09,7.43 36.1,7.41 36.11,7.4 36.13,7.39 36.14,7.39 36.16,7.38 36.18,7.39 36.19,7.39 36.21,7.4 36.22,7.41 36.23,7.43 36.23,7.44 36.24,7.48 36.24,7.49 36.25,7.51 36.26,7.52 36.28,7.53 36.29,7.53 36.31,7.53 36.34,7.53 36.35,7.53 36.37,7.53 36.38,7.52 36.4,7.51 36.4,7.49 36.41,7.48 36.41,7.44 36.42,7.43 36.43,7.41 36.44,7.4 36.45,7.39 36.47,7.39 36.49,7.38 36.51,7.38 36.53,7.39 36.55,7.39 36.56,7.4 36.57,7.41 36.58,7.43 36.59,7.44 36.59,7.48 36.6,7.49 36.61,7.51 36.62,7.52 36.63,7.53 36.65,7.53 36.66,7.53 36.69,7.53 36.71,7.53 36.72,7.53 36.74,7.52 36.75,7.51 36.76,7.49 36.77,7.48 36.77,7.44 36.77,7.43 36.78,7.41 36.8,7.4 36.81,7.39 36.83,7.39 36.84,7.38 36.87,7.38 36.89,7.39 36.9,7.39 36.92,7.4 36.93,7.41 36.94,7.43 36.94,7.44 36.95,7.48 36.95,7.49 36.96,7.51 36.97,7.52 36.99,7.53 37,7.53 37.02,7.53 37.05,7.53 37.06,7.53 37.08,7.53 37.09,7.52 37.11,7.51 37.12,7.49 37.12,7.48 37.12,7.46 37.12,7.33 37.12,7.32 37.13,7.31 37.13,7.3 37.14,7.29 37.15,7.29 37.16,7.28 37.17,7.28 37.25,7.28 37.26,7.28 37.27,7.29 37.28,7.29 37.29,7.3 37.3,7.31 37.3,7.32 37.3,7.33 37.3,7.46 37.3,7.48 37.31,7.49 37.32,7.51 37.33,7.52 37.34,7.53 37.36,7.53 37.38,7.53 37.4,7.53 37.42,7.53 37.44,7.53 37.45,7.52 37.46,7.51 37.47,7.49 37.48,7.48 37.48,7.44 37.49,7.43 37.49,7.41 37.51,7.4 37.52,7.39 37.54,7.39 37.55,7.38 37.73,7.38 39.97,9.62 39.98,9.64 40,9.64 40.02,9.65 40.04,9.65 40.06,9.64 40.08,9.64 40.09,9.62 40.23,9.48 40.25,9.47 40.27,9.46 40.29,9.46 40.31,9.46 40.33,9.46 40.34,9.47 40.36,9.48 40.37,9.5 40.38,9.52 40.39,9.54 40.39,9.56 40.38,9.57 40.37,9.59 40.36,9.61 40.22,9.75 40.21,9.76 40.2,9.78 40.19,9.8 40.19,9.82 40.2,9.84 40.21,9.86 40.22,9.87 40.24,9.89 40.25,9.9 40.27,9.9 40.29,9.9 40.31,9.9 40.33,9.89 40.35,9.87 40.49,9.73 40.5,9.72 40.52,9.71 40.54,9.71 40.56,9.71 40.58,9.71 40.6,9.72 40.61,9.73 40.62,9.75 40.63,9.77 40.64,9.79 40.64,9.81 40.63,9.83 40.62,9.84 40.61,9.86 40.47,10 40.46,10.02 40.45,10.03 40.45,10.05 40.45,10.07 40.45,10.09 40.46,10.11 40.47,10.13 40.49,10.14 40.5,10.15 40.52,10.15 40.54,10.15 40.56,10.15 40.58,10.14 40.6,10.13 40.74,9.99 40.75,9.97 40.77,9.96 40.79,9.96 40.81,9.96 40.83,9.96 40.85,9.97 40.86,9.99 40.88,10 40.88,10.02 40.89,10.04 40.89,10.06 40.88,10.08 40.88,10.1 40.86,10.11 40.72,10.25 40.71,10.27 40.7,10.29 40.7,10.3 40.7,10.32 40.7,10.34 40.71,10.36 40.72,10.38 42.25,11.9 42.84,11.9 42.93,11.81 42.99,11.81 43.24,11.56 44.14,11.56 44.55,11.96 44.56,11.96 45.63,13.04 45.63,13.33 45.4,13.56 45.4,14.8 v1(45.9,15.3)
  Bottom w0.089: U6.81 46.02,15.3 v1(45.9,15.3)
